# Altium PCB PCB1.PcbDoc (part 2 of 2) (continued)
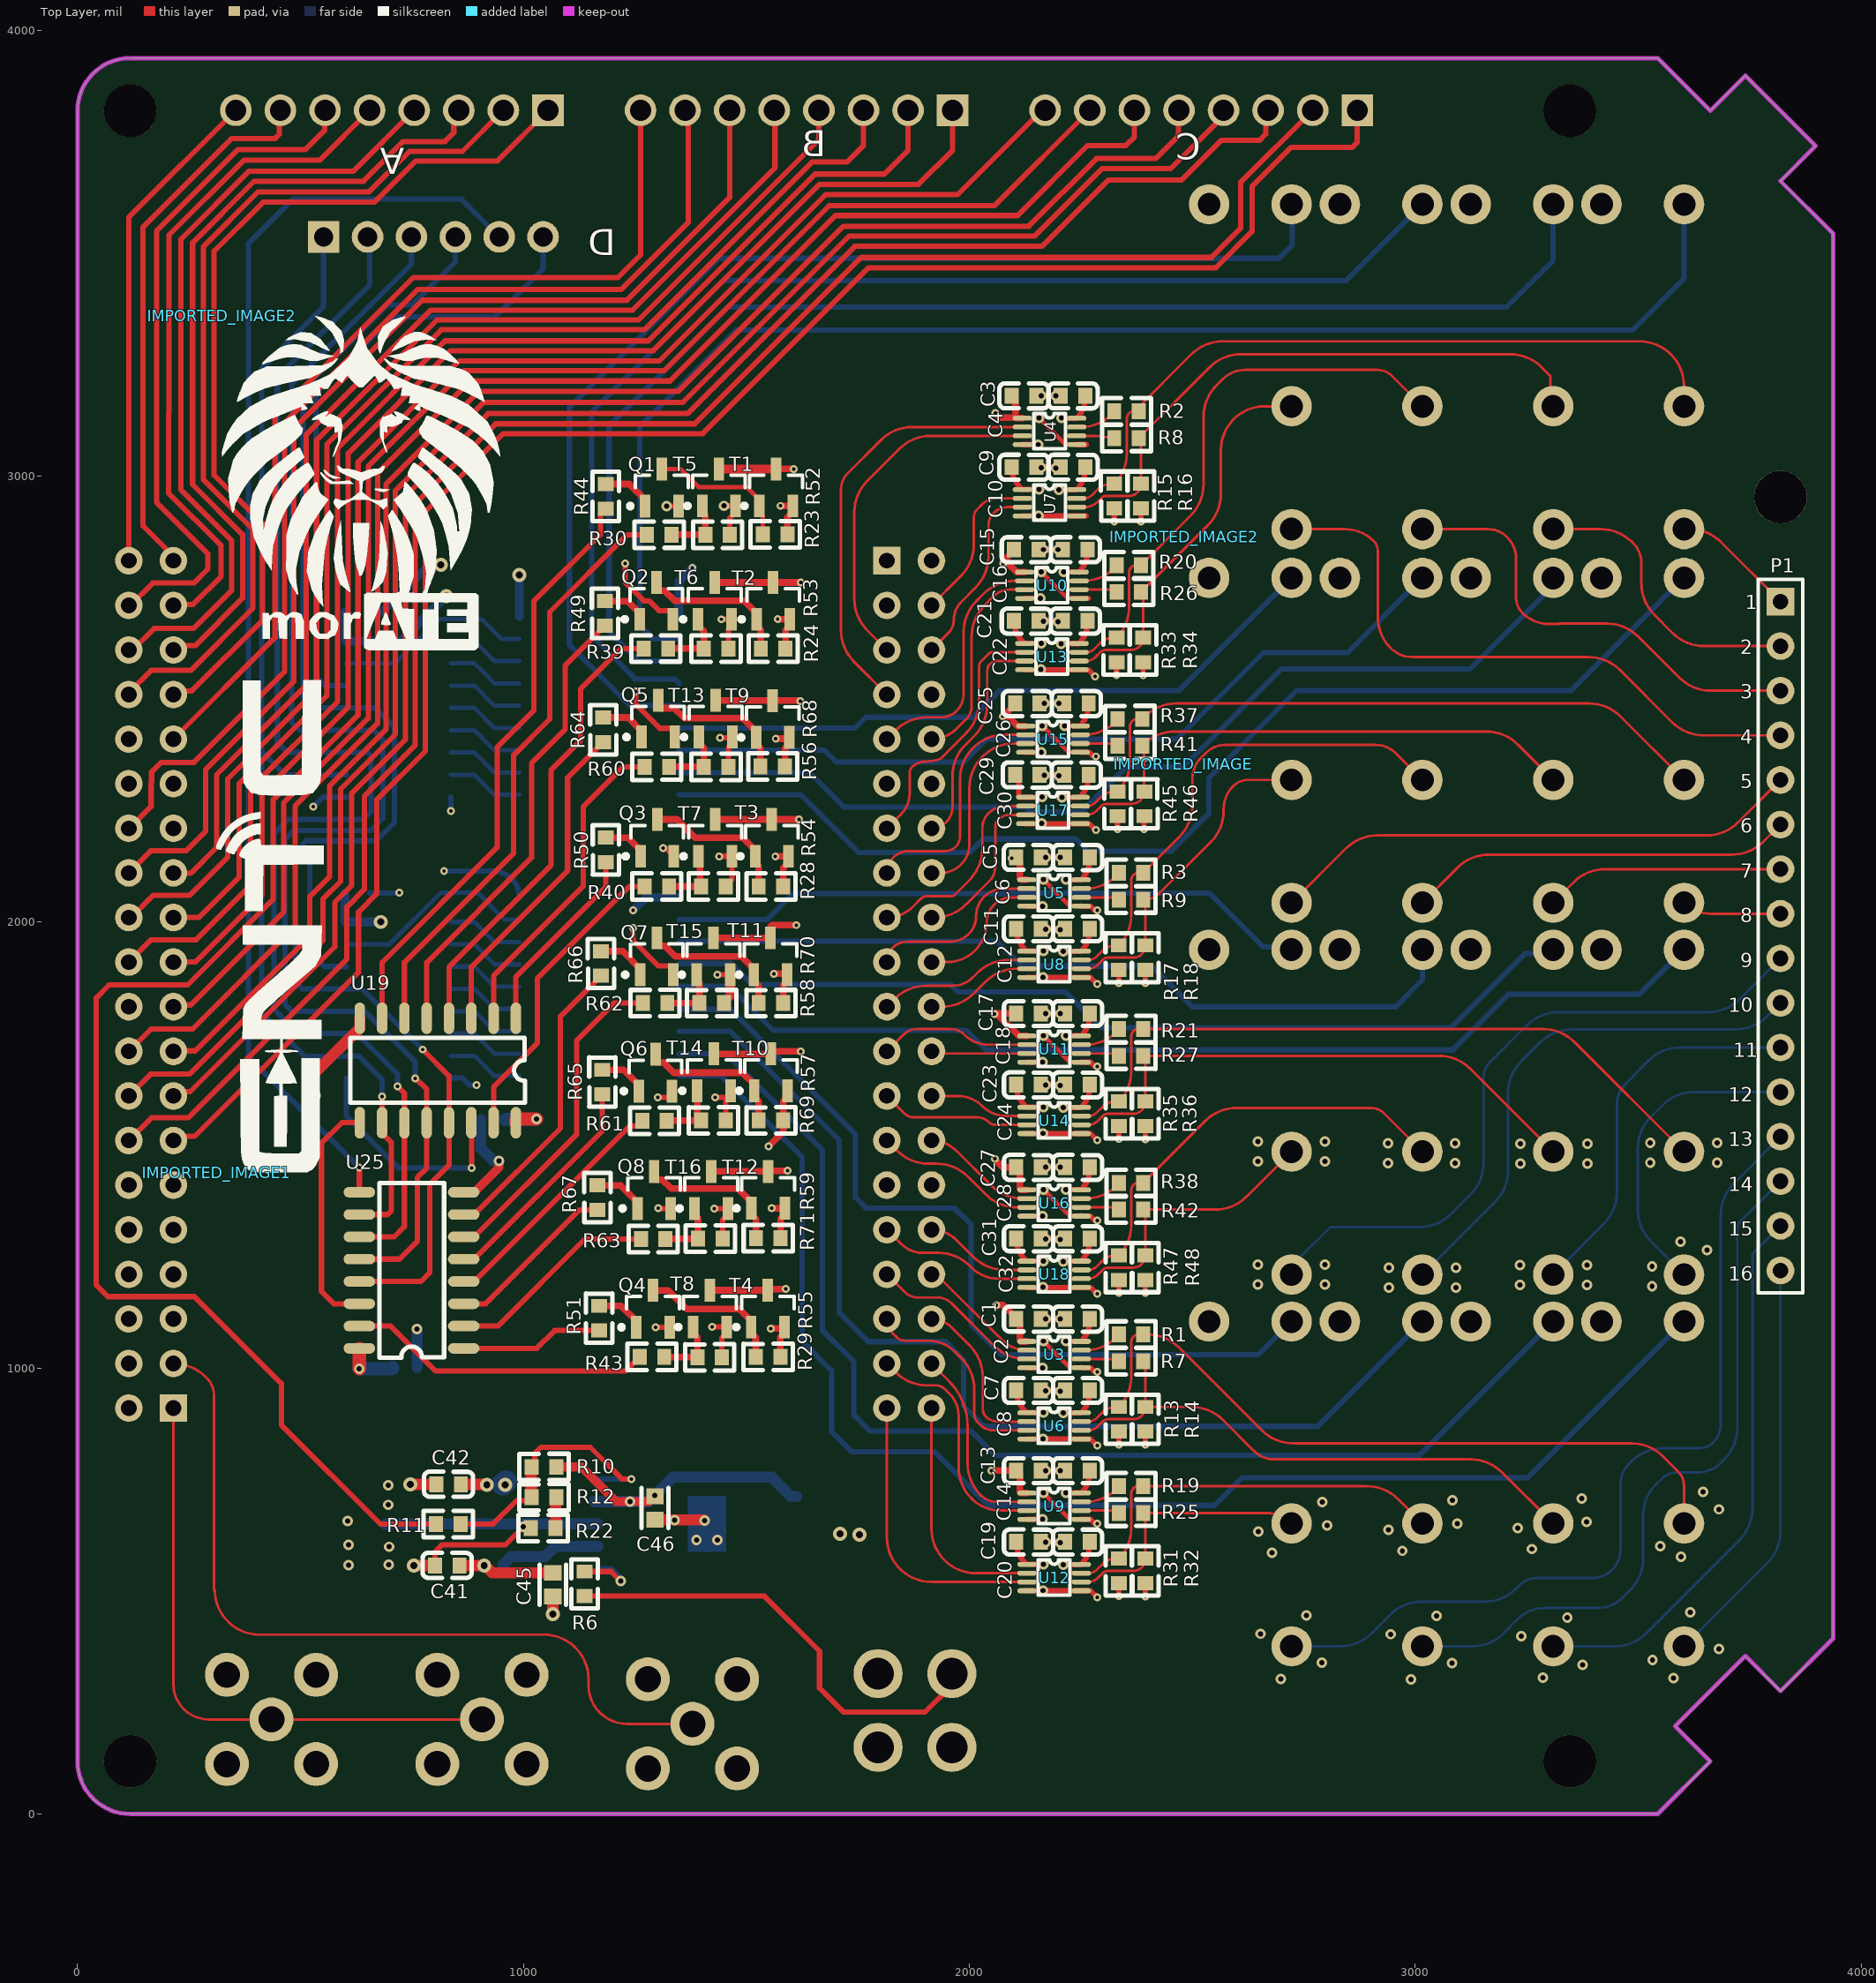
[diagram p0: Top Layer view]
## Nets (pads, with @x,y where several pads share a name; then routed paths per layer and width w, separated by ;. In a path a pad name is that pad's centre, name@x,y a point inside that pad or via, vN(x,y) a via of type N, cw(c..) or ccw(c..) an arc to the next point about the centre after c; other vN are vias at no path point) (continued)
IO-5-6-off: R40.1 U19.15 | length 689.6
  Top Layer w12: U19.15@933,1550 933,1630 1031,1728 1031,1873 1237.66,2079.66 R40.1@1271.44,2079.66
IO-5-6-on: R50.2 U19.1 | length 433.8
  Top Layer w12: U19.1@983,1784 983,1877 1185,2079 R50.2@1185,2134.1
IO-5-6-out: C5.2 T3.2 T7.2 U5.1 | length 780.2
  Top Layer w15: T7.2@1430,2230 T3.2@1557,2230 v2(1618,2230) ; v2(2095,2143) 2102.89,2143 C5.2@2104.89,2145 2113.14,2136.75 2113.14,2096.52 2115.12,2094.53 U5.1@2128.87,2094.53
  Mid Layer 2 w15: v2(1618,2230) 1683,2165 2072.65,2165 2094.65,2143 v2(2095,2143)
IO-7-8-off: R60.1 U19.2 | length 732
  Top Layer w12: U19.2@933,1784 933,1879 1134,2080 1134,2258 1224,2348 R60.1@1271.44,2348
IO-7-8-on: R64.2 U19.3 | length 743.2
  Top Layer w12: U19.3@883,1784 883,1899 1099,2115 1099,2323.44 1167.28,2391.72 1167.28,2393.69 1177.03,2403.44 R64.2@1179,2403.44
IO-7-8-out: C25.2 T9.2 T13.2 U15.1 | length 760
  Top Layer w15: T13.2@1431,2497.34 1432,2496.34 T9.2@1559,2496.34 1619.66,2496.34 v2(1621,2495) ; C25.2@2102.44,2490 2102.44,2488.03 2075.41,2461 v2(2075,2461) 2075.52,2460.48 2087.4,2460.48 2108.35,2439.53 U15.1@2126.42,2439.53
  Mid Layer 2 w15: v2(1621,2495) 1735.87,2495 1769.87,2461 v2(2075,2461)
IO-9-10-off: R61.1 U25.4 | length 550.7
  Top Layer w12: U25.4@866,1194 889.58,1194 1237.86,1542.28 1256.7,1542.28 1266.44,1552.03 R61.1@1266.44,1554
IO-9-10-on: R65.2 U25.5 | length 512.1
  Top Layer w12: U25.5@866,1244 889.58,1244 1177,1531.42 R65.2@1177,1613.44
IO-9-10-out: C27.2 T10.2 T14.2 U16.1 | length 857.9
  Top Layer w15: T14.2@1427,1704.34 T10.2@1555,1704.34 1555,1705.69 1559.31,1710 v2(1622,1710) ; v2(2057,1469) 2057,1468 2075,1450 C27.2@2105,1450 2113.25,1441.75 2113.25,1401.52 2115.24,1399.53 U16.1@2128.98,1399.53
  Mid Layer 2 w15: v2(1622,1710) 1770,1562 1964,1562 v2(2057,1469)
IO-11-12-off: R62.1 U25.6 | length 741.8
  Top Layer w12: U25.6@866,1294 889.58,1294 1119,1523.42 1119,1734 1203,1818 R62.1@1267.44,1818
IO-11-12-on: R66.2 U25.7 | length 678
  Top Layer w12: U25.7@866,1344 889.58,1344 1083,1537.42 1083,1788.44 1162.28,1867.72 1162.28,1869.69 1172.03,1879.44 R66.2@1174,1879.44
IO-11-12-out: C17.2 T11.2 T15.2 U11.1 | length 882.2
  Top Layer w15: T15.2@1426,1964.34 T11.2@1554,1964.34 1554,1990 1557,1993 v2(1612,1993) ; C17.2@2105,1795 2057.74,1795 2056.74,1794 v2(2056,1794) 2056.52,1793.48 2061.96,1793.48 2110.91,1744.53 U11.1@2128.98,1744.53
  Mid Layer 2 w15: v2(1612,1993) 1745,1860 1990,1860 v2(2056,1794)
IO-13-14-off: R43.1 U25.15 | length 683.5
  Top Layer w12: U25.15@632,1094 702,1094 803,993 1228.94,993 R43.1@1260.6,1024.66
IO-13-14-on: R51.2 U25.1 | length 320.2
  Top Layer w12: U25.1@866,1044 1030,1044 1070.1,1084.1 R51.2@1169.6,1084.1
IO-13-14-out: C13.2 T4.2 T8.2 U9.1 | length 1049.8
  Top Layer w15: T8.2@1418,1174.34 T4.2@1548,1174.34 1547.5,1174.84 1547.5,1177 v2(1588,1177) ; v2(2049,770) C13.2@2105,770 2113.25,761.75 2113.25,721.52 2115.24,719.53 U9.1@2128.98,719.53
  Mid Layer 2 w15: v2(1588,1177) 1624,1177 1696,1105 1696,896 1822,770 v2(2049,770)
IO-15-16-off: R63.1 U25.2 | length 478.2
  Top Layer w12: U25.2@866,1094 943,1094 1138,1289 R63.1@1263.44,1289
IO-15-16-on: R67.2 U25.3 | length 387.2
  Top Layer w12: U25.3@866,1144 915,1144 1125.44,1354.44 R67.2@1166,1354.44
IO-15-16-out: C1.2 T12.2 T16.2 U3.1 | length 912.9
  Top Layer w15: T16.2@1421,1440.34 1421.34,1440.68 T12.2@1548.6,1440.68 1549.92,1442 v2(1592,1442) ; v2(2060,1141) 2075.97,1141 2105,1111.97 C1.2@2105,1110 2113.25,1101.75 2113.25,1061.52 2115.24,1059.53 U3.1@2128.98,1059.53
  Mid Layer 2 w15: v2(1592,1442) 1775,1259 1978,1259 2060,1177 v2(2060,1141)
NetC46_2: C46.2 JP2.1 R10.2 U1.4 | length 754.2
  Top Layer w20: R10.2@1071.56,778 R10.2@1073.56,778 1130,778 1207.72,700.28 v1(1239.28,700.28) 1282.7,700.28 C46.2@1295,712.57
  Bottom Layer w25: U1.4@1159,700.28 U1.4@1166.86,700.28 v1(1239.28,700.28) 1280.28,700.28 1335,755 1556.5,755 1599.5,712 JP2.1@1612,712
  other v1: 1294.28,714.28
NetQ1_1: Q1.1 R44.1 | length 117.1
  Top Layer w15: R44.1@1184.4,2981.89 1237.55,2981.89 1273,2946.44 Q1.1@1273,2932.66
NetQ1_2: Q1.2 R23.2 T1.1 | length 327.7
  Top Layer w10: Q1.2@1310.4,3015.34 1352.66,3015.34 1393,2975 1500.78,2975 1529,2946.78 T1.1@1529,2933 1529,2919.22 1536.84,2911.38 R23.2@1536.84,2869.34
NetQ2_1: Q2.1 R49.1 | length 102.6
  Top Layer w15: R49.1@1183,2719.56 1233.48,2719.56 1260.6,2692.44 Q2.1@1260.6,2678.66
NetQ2_2: Q2.2 R24.2 T2.1 | length 344.7
  Top Layer w15: Q2.2@1298,2761.34 1298,2747.56 1302.31,2743.25 1316.09,2743.25 1339.34,2720 1495.04,2720 1522.6,2692.44 T2.1@1522.6,2678.66 1522.6,2664.88 1532.44,2655.04 R24.2@1532.44,2613
NetQ3_1: Q3.1 R50.1 | length 103
  Top Layer w15: R50.1@1185,2189.22 1234.48,2189.22 1262.6,2161.1 Q3.1@1262.6,2147.32
NetQ3_2: Q3.2 R28.2 T3.1 | length 332.8
  Top Layer w15: Q3.2@1300,2230 1344,2230 1385,2189 1491.7,2189 1519.6,2161.1 T3.1@1519.6,2147.32 1519.6,2133.54 1527.44,2125.7 R28.2@1527.44,2079.66
NetQ4_1: Q4.1 R51.1 | length 111.5
  Top Layer w15: R51.1@1169.6,1139.22 1219.08,1139.22 1253.2,1105.1 Q4.1@1253.2,1091.32
NetQ4_2: Q4.2 R29.2 T4.1 | length 333.5
  Top Layer w15: Q4.2@1290.6,1174 1325,1174 1366.62,1132.38 1483.66,1132.38 1510.6,1105.44 T4.1@1510.6,1091.66 1510.6,1077.88 1521.04,1067.44 R29.2@1521.04,1024.66
NetQ5_1: Q5.1 R64.1 | length 111.9
  Top Layer w15: R64.1@1179,2458.56 1234.48,2458.56 1264.6,2428.44 Q5.1@1264.6,2414.66
NetQ5_2: Q5.2 R56.2 T9.1 | length 339.1
  Top Layer w15: Q5.2@1302,2497.34 1302,2483.56 1306.31,2479.25 1338.75,2479.25 1361,2457 1492.04,2457 1521.6,2427.44 T9.1@1521.6,2413.66 1521.6,2399.88 1531.44,2390.04 R56.2@1531.44,2349
NetQ6_1: Q6.1 R65.1 | length 109.5
  Top Layer w15: R65.1@1177,1668.56 1224.48,1668.56 1258.6,1634.44 Q6.1@1258.6,1620.66
NetQ6_2: Q6.2 R57.2 T10.1 | length 342.3
  Top Layer w15: Q6.2@1296,1703.34 1296,1689.56 1300.31,1685.25 1314.09,1685.25 1337.34,1662 1491.04,1662 1517.6,1635.44 T10.1@1517.6,1621.66 1517.6,1607.88 1527.44,1598.04 R57.2@1527.44,1555
NetQ7_1: Q7.1 R66.1 | length 117.6
  Top Layer w15: R66.1@1174,1934.56 1222.48,1934.56 1261.6,1895.44 Q7.1@1261.6,1881.66
NetQ7_2: Q7.2 R58.2 T11.1 | length 336.1
  Top Layer w15: Q7.2@1299,1964.34 1299,1950.56 1303.31,1946.25 1317.09,1946.25 1340.34,1923 1489.04,1923 1516.6,1895.44 T11.1@1516.6,1881.66 1516.6,1867.88 1527.44,1857.04 R58.2@1527.44,1818
NetQ8_1: Q8.1 R67.1 | length 119.2
  Top Layer w15: R67.1@1166,1409.56 1217.48,1409.56 1255.6,1371.44 Q8.1@1255.6,1357.66
NetQ8_2: Q8.2 R59.2 T12.1 | length 339.7
  Top Layer w15: Q8.2@1293,1440.34 1293,1426.56 1297.31,1422.25 1311.09,1422.25 1331.34,1402 1480.98,1402 1511.2,1371.78 T12.1@1511.2,1358 1511.2,1344.22 1521.44,1333.98 R59.2@1521.44,1291
NetR1_1: R1.1 U3.7 | length 93.4
  Top Layer w5.78: U3.7@2250.91,1039.84 2260.28,1039.84 ccw(c2260.28,1139.84) 2330.99,1069.13 R1.1@2334.89,1073.03
NetR1_2: R1.2 R13.2 RLY13.2 U6.7 | length 1718.2
  Top Layer w5.78: U6.7@2250.91,879.84 2266.48,879.84 ccw(c2266.48,907.28) 2285.87,887.87 ; 2285.88,887.88 2298,900 cw(c2328.32,869.68) 2328.32,912.56 2334.89,912.56 ccw(c2267.01,980.43) 2363,980.43 2363,1058 cw(c2380.76,1058) R1.2@2380.76,1075.76 ; R1.2@2380.76,1075 R1.2@2390,1075 ; R1.2@2390.12,1075 2399.58,1075 cw(c2399.58,975) 2470.29,1045.71 2655.71,860.29 ccw(c2726.42,931) 2726.42,831 3484.58,831 cw(c3484.58,731) 3555.29,801.71 3590,767 cw(c3559.82,736.82) 3602.5,736.82 RLY13.2@3602.5,651.35
NetR2_1: R2.1 U4.7 | length 93.4
  Top Layer w5.78: U4.7@2240.91,3109.84 2250.28,3109.84 ccw(c2250.28,3209.84) 2320.99,3139.13 R2.1@2324.89,3143.03
NetR2_2: R2.2 R15.2 RLY1.2 U7.7 | length 1679.5
  Top Layer w5.78: U7.7@2240.91,2949.84 2256.48,2949.84 ccw(c2256.48,2977.28) 2275.87,2957.87 ; 2275.88,2957.88 2288,2970 cw(c2318.32,2939.68) 2318.32,2982.56 R15.2@2324.89,2982.56 ccw(c2257.01,3050.43) 2353,3050.43 2353,3128 cw(c2370.76,3128) 2370.76,3145.76 2497.71,3272.71 cw(c2568.42,3202) 2568.42,3302 3502.5,3302 cw(c3502.5,3202) 3602.5,3202 RLY1.2@3602.5,3156.35 ; R2.2@2370.76,3145 R2.2@2380,3145
NetR3_1: R3.1 U5.7 | length 93.4
  Top Layer w5.78: U5.7@2250.91,2074.84 2260.28,2074.84 ccw(c2260.28,2174.84) 2330.99,2104.13 R3.1@2334.89,2108.03
NetR3_2: R3.2 R17.2 RLY7.2 U8.7 | length 1124.9
  Top Layer w5.78: U8.7@2250.91,1914.84 2266.48,1914.84 ccw(c2266.48,1942.28) 2285.87,1922.87 ; 2285.88,1922.88 2298,1935 cw(c2328.32,1904.68) 2328.32,1947.56 R17.2@2334.89,1947.56 ccw(c2267.01,2015.43) 2363,2015.43 2363,2093 cw(c2380.76,2093) R3.2@2380.76,2110.76 ; R3.2@2380.76,2110 R3.2@2390,2110 2470.71,2190.71 ccw(c2400,2261.42) 2500,2261.42 2500,2321 cw(c2567.6,2321) 2519.78,2368.78 2530,2379 cw(c2573.46,2335.54) 2573.46,2397 2912,2397 cw(c2912,2335.64) 2955.42,2379 RLY7.2@3015.83,2318.58
NetR7_1: R7.1 U3.6 | length 85.4
  Top Layer w5.78: U3.6@2250.91,1020.16 2322.43,1020.16 cw(c2322.43,1002.54) R7.1@2334.87,1015.02
NetR7_2: R7.2 R14.2 RLY14.2 U6.6 | length 1282.7
  Top Layer w5.78: U6.6@2250.91,860.16 2265.95,860.16 ccw(c2265.95,892.05) 2288.5,869.5 2299,880 cw(c2311.07,867.93) 2311.07,885 2367.33,885 ccw(c2367.33,912.56) 2394.89,912.56 2394.89,1003.21 ccw(c2378.21,1003.21) R7.2@2390,1015 ; R14.2@2395,912.56 2498.02,912.56 cw(c2498.02,812.56) 2568.73,883.27 2638.64,813.36 ccw(c2683,857.77) 2683,795 3124.1,795 cw(c3124.1,695) 3194.81,765.71 RLY14.2@3309.17,651.35
NetR8_1: R8.1 U4.6 | length 154.1
  Top Layer w5.78: R8.1@2312.43,3090.16 cw(c2312.43,3072.54) R8.1@2324.89,3085 ; R8.1@2324.89,3085 2284.43,3090.16 U4.6@2240.91,3090.16 ; U4.6@2240.91,3090.16 2212.91,3090.16 U4.6@2240.91,3090.16
NetR8_2: R8.2 R16.2 RLY2.2 U7.6 | length 1353.4
  Top Layer w5.78: U7.6@2240.91,2930.16 2258,2930.16 ccw(c2258,2974) 2288.99,2942.99 ; 2289,2943 2299,2953 cw(c2303.83,2948.17) 2303.83,2955 2357.33,2955 ccw(c2357.33,2982.56) R16.2@2384.89,2982.56 2384.89,3073.21 ccw(c2368.21,3073.21) R8.2@2380,3085 2538.71,3243.71 cw(c2609.42,3173) 2609.42,3273 3212.58,3273 cw(c3212.58,3173) 3283.29,3243.71 3303,3224 3303,3171.24 ccw(c3324.05,3171.24) RLY2.2@3309.17,3156.35
NetR9_1: R9.1 U5.6 | length 85.4
  Top Layer w5.78: U5.6@2250.91,2055.16 2322.43,2055.16 cw(c2322.43,2037.54) R9.1@2334.89,2050
NetR9_2: R9.2 R18.2 RLY8.2 U8.6 | length 747.7
  Top Layer w5.78: U8.6@2250.91,1895.16 2265.95,1895.16 ccw(c2265.95,1927.05) 2288.5,1904.5 2299,1915 cw(c2311.07,1902.93) 2311.07,1920 2367.33,1920 ccw(c2367.33,1947.56) R18.2@2394.89,1947.56 2394.89,2038.21 ccw(c2378.21,2038.21) R9.2@2390,2050 ccw(c2390,2103.11) 2427.53,2065.53 2541.72,2179.72 ccw(c2473.43,2248) 2570,2248 2570,2251.89 cw(c2645.11,2251.89) 2592,2305 cw(c2624.79,2272.21) 2624.79,2318.58 RLY8.2@2722.5,2318.58
NetR10_1: R10.1 R11.1 R12.2 U1.5 | length 614.2
  Top Layer w12: R11.1@859.12,650 932,650 984.69,702.69 1011.13,702.69 R12.2@1018.44,710 ; R10.1@1016.44,778 1025,786.56 1025,808 1039,822 1150,822 1221,751 v2(1242,751)
  Top Layer w25: R10.1@1016.44,778 1017.44,777 1017.44,711 R12.2@1018.44,710
  Bottom Layer w12: U1.5@1166.86,750.28 1167.22,750.64 1241.64,750.64 v2(1242,751)
NetR12_1: R12.1 R22.2 | length 69.8
  Top Layer w25: R22.2@1071.56,641 1072.56,642 1072.56,709 R12.1@1073.56,710
NetR19_1: R19.1 U9.7 | length 93.4
  Top Layer w5.78: U9.7@2250.91,699.84 2260.28,699.84 ccw(c2260.28,799.84) 2330.99,729.13 R19.1@2334.89,733.03
NetR19_2: R19.2 R31.2 RLY15.2 U12.7 | length 940.7
  Top Layer w5.78: U12.7@2250.91,539.84 2266.48,539.84 ccw(c2266.48,567.28) 2285.87,547.87 ; 2285.88,547.88 2298,560 cw(c2328.32,529.68) 2328.32,572.56 2334.89,572.56 ccw(c2267.01,640.43) 2363,640.43 2363,718 cw(c2380.76,718) R19.2@2380.76,735.76 ; R19.2@2380.76,735 R19.2@2390,735 ; R19.2@2390.12,735 2890.76,735 cw(c2890.76,635) 2961.47,705.71 RLY15.2@3015.83,651.35
NetR20_1: R20.1 U10.7 | length 93.4
  Top Layer w5.78: U10.7@2245.91,2764.84 2255.28,2764.84 ccw(c2255.28,2864.84) 2325.99,2794.13 R20.1@2329.89,2798.03
NetR20_2: R20.2 R33.2 RLY3.2 U13.7 | length 1254
  Top Layer w5.78: U13.7@2245.91,2604.84 2261.48,2604.84 ccw(c2261.48,2632.28) 2280.87,2612.87 ; 2280.88,2612.88 2293,2625 cw(c2323.32,2594.68) 2323.32,2637.56 2329.89,2637.56 ccw(c2262.01,2705.43) 2358,2705.43 2358,2783 cw(c2375.76,2783) R20.2@2375.76,2800.76 ; R20.2@2375.76,2800 R20.2@2385,2800 ; R20.2@2385.12,2800 2495.71,2910.59 ccw(c2425,2981.31) 2525,2981.31 2525,3132.58 cw(c2625,3132.58) 2554.29,3203.29 2568,3217 cw(c2618.7,3166.3) 2618.7,3238 2915,3238 cw(c2915,3191.69) 2947.76,3224.42 RLY3.2@3015.83,3156.35
NetR21_1: R21.1 U11.7 | length 93.4
  Top Layer w5.78: U11.7@2250.91,1724.84 2260.28,1724.84 ccw(c2260.28,1824.84) 2330.99,1754.13 R21.1@2334.89,1758.03
NetR21_2: R21.2 R35.2 RLY9.2 U14.7 | length 1606.6
  Top Layer w5.78: U14.7@2250.91,1564.84 2266.48,1564.84 ccw(c2266.48,1592.28) 2285.87,1572.87 ; 2285.88,1572.88 2298,1585 cw(c2328.32,1554.68) 2328.32,1597.56 2334.89,1597.56 ccw(c2267.01,1665.43) 2363,1665.43 2363,1743 cw(c2380.76,1743) R21.2@2380.76,1760.76 ; R21.2@2380.76,1760 R21.2@2390,1760 ; R21.2@2390.12,1760 3286.05,1760 cw(c3286.05,1660) 3356.76,1730.71 RLY9.2@3602.5,1484.97
NetR25_1: R25.1 U9.6 | length 85.4
  Top Layer w5.78: U9.6@2250.91,680.16 2322.43,680.16 cw(c2322.43,662.54) R25.1@2334.87,675.02
NetR25_2: R25.2 R32.2 RLY16.2 U12.6 | length 610.5
  Top Layer w5.78: U12.6@2250.91,520.16 2265.95,520.16 ccw(c2265.95,552.05) 2288.5,529.5 2299,540 cw(c2311.07,527.93) 2311.07,545 2367.33,545 ccw(c2367.33,572.56) 2394.89,572.56 2394.89,663.21 ccw(c2378.21,663.21) 2390,675 R25.2@2390.12,675 2665.4,675 cw(c2665.4,594.25) RLY16.2@2722.5,651.35
NetR26_1: R26.1 U10.6 | length 85.4
  Top Layer w5.78: U10.6@2245.91,2745.16 2317.43,2745.16 cw(c2317.43,2727.54) R26.1@2329.87,2740.02
NetR26_2: R26.2 R34.2 RLY4.2 U13.6 | length 874.1
  Top Layer w5.78: U13.6@2245.91,2585.16 2260.95,2585.16 ccw(c2260.95,2617.05) 2283.5,2594.5 2294,2605 cw(c2306.07,2592.93) 2306.07,2610 2362.33,2610 ccw(c2362.33,2637.56) 2389.89,2637.56 2389.89,2728.21 ccw(c2373.21,2728.21) R26.2@2385,2740 ; R26.2@2385.12,2740 2534.71,2889.59 ccw(c2464,2960.31) 2564,2960.31 2564,3058 cw(c2662.35,3058) 2662.35,3156.35 RLY4.2@2722.5,3156.35
NetR27_1: R27.1 U11.6 | length 85.4
  Top Layer w5.78: U11.6@2250.91,1705.16 2322.43,1705.16 cw(c2322.43,1687.54) R27.1@2334.87,1700.02
NetR27_2: R27.2 R36.2 RLY10.2 U14.6 | length 1275.6
  Top Layer w5.78: U14.6@2250.91,1545.16 2265.95,1545.16 ccw(c2265.95,1577.05) 2288.5,1554.5 2299,1565 cw(c2311.07,1552.93) 2311.07,1570 2367.33,1570 ccw(c2367.33,1597.56) 2394.89,1597.56 2394.89,1688.21 ccw(c2378.21,1688.21) 2390,1700 R27.2@2390.12,1700 3052.71,1700 cw(c3052.71,1600) 3123.42,1670.71 RLY10.2@3309.17,1484.97
NetR30_2: R30.2 R52.2 T5.1 | length 143.4
  Top Layer w15: R30.2@1331.96,2868.34 R52.2@1407.84,2868.34 1407.84,2912.38 1401,2919.22 T5.1@1401,2933
NetR37_1: R37.1 U15.7 | length 93.4
  Top Layer w5.78: U15.7@2247.91,2419.84 2257.28,2419.84 ccw(c2257.28,2519.84) 2327.99,2449.13 R37.1@2331.89,2453.03
NetR37_2: R37.2 R45.2 RLY5.2 U17.7 | length 1576.4
  Top Layer w5.78: U17.7@2247.91,2259.84 2263.48,2259.84 ccw(c2263.48,2287.28) 2282.87,2267.87 ; 2282.88,2267.88 2295,2280 cw(c2325.32,2249.68) 2325.32,2292.56 2331.89,2292.56 ccw(c2264.01,2360.43) 2360,2360.43 2360,2438 cw(c2377.76,2438) R37.2@2377.76,2455.76 ; R37.2@2377.76,2455 R37.2@2387,2455 ; R37.2@2387.56,2455 2393.27,2460.71 cw(c2463.98,2390) 2463.98,2490 3389.66,2490 cw(c3389.66,2390) 3460.37,2460.71 RLY5.2@3602.5,2318.58
NetR38_1: R38.1 U16.7 | length 93.4
  Top Layer w5.78: U16.7@2250.91,1379.84 2260.28,1379.84 ccw(c2260.28,1479.84) 2330.99,1409.13 R38.1@2334.89,1413.03
NetR38_2: R38.2 R47.2 RLY11.2 U18.7 | length 1014.5
  Top Layer w5.78: U18.7@2250.91,1219.84 2266.48,1219.84 ccw(c2266.48,1247.28) 2285.87,1227.87 ; 2285.88,1227.88 2298,1240 cw(c2328.32,1209.68) 2328.32,1252.56 2334.89,1252.56 ccw(c2267.01,1320.43) 2363,1320.43 2363,1398 cw(c2380.76,1398) R38.2@2380.76,1415.76 ; R38.2@2380.76,1415 R38.2@2390,1415 ; R38.2@2390.12,1415 2528.83,1553.71 cw(c2599.54,1483) 2599.54,1583 2901,1583 cw(c2901,1542.44) 2929.68,1571.12 RLY11.2@3015.83,1484.97
NetR39_2: R39.2 R53.2 T6.1 | length 150.9
  Top Layer w15: R39.2@1324.56,2613 R53.2@1404.44,2613 1404.44,2652.04 1391.6,2664.88 T6.1@1391.6,2678.66
NetR40_2: R40.2 R54.2 T7.1 | length 142
  Top Layer w15: R40.2@1326.56,2079.66 R54.2@1398.44,2079.66 1395.52,2082.58 1395.52,2144.4 T7.1@1392.6,2147.32
NetR41_1: R41.1 U15.6 | length 85.4
  Top Layer w5.78: U15.6@2247.91,2400.16 2319.43,2400.16 cw(c2319.43,2382.54) R41.1@2331.87,2395.02
NetR41_2: R41.2 R46.2 RLY6.2 U17.6 | length 1242.8
  Top Layer w5.78: U17.6@2247.91,2240.16 2262.95,2240.16 ccw(c2262.95,2272.05) 2285.5,2249.5 2296,2260 cw(c2308.07,2247.93) 2308.07,2265 2364.33,2265 ccw(c2364.33,2292.56) 2391.89,2292.56 2391.89,2383.21 ccw(c2375.21,2383.21) R41.2@2387,2395 ; R41.2@2387.56,2395 2390.27,2397.71 cw(c2460.98,2327) 2460.98,2427 3159.33,2427 cw(c3159.33,2327) 3230.04,2397.71 RLY6.2@3309.17,2318.58
NetR42_1: R42.1 U16.6 | length 85.4
  Top Layer w5.78: U16.6@2250.91,1360.16 2322.43,1360.16 cw(c2322.43,1342.54) R42.1@2334.87,1355.02
NetR42_2: R42.2 R48.2 RLY12.2 U18.6 | length 653.6
  Top Layer w5.78: U18.6@2250.91,1200.16 2265.95,1200.16 ccw(c2265.95,1232.05) 2288.5,1209.5 2299,1220 cw(c2311.07,1207.93) 2311.07,1225 2367.33,1225 ccw(c2367.33,1252.56) 2394.89,1252.56 2394.89,1343.21 ccw(c2378.21,1343.21) R42.2@2390,1355 ; R42.2@2390.12,1355 2551.11,1355 ccw(c2551.11,1455) 2621.82,1384.29 RLY12.2@2722.5,1484.97
NetR43_2: R43.2 R55.2 T8.1 | length 146.6
  Top Layer w15: R43.2@1315.71,1024.66 1316.21,1024.16 1389.54,1024.16 R55.2@1390.04,1023.66 1390.04,1068.44 1380.6,1077.88 T8.1@1380.6,1091.66
NetR60_2: R60.2 R68.2 T13.1 | length 149
  Top Layer w15: R60.2@1326.56,2348 R68.2@1404.44,2348 1404.44,2390.04 1393.6,2400.88 T13.1@1393.6,2414.66
NetR61_2: R61.2 R69.2 T14.1 | length 147.6
  Top Layer w15: R61.2@1321.56,1554 1322.06,1554.5 1397.94,1554.5 R69.2@1398.44,1555 1390.19,1563.25 1390.19,1573.41 1389.6,1574 T14.1@1389.6,1621.66
NetR62_2: R62.2 R70.2 T15.1 | length 138
  Top Layer w15: R62.2@1322.56,1818 R70.2@1394.44,1818 1394.44,1862.04 1388.6,1867.88 T15.1@1388.6,1881.66
NetR63_2: R63.2 R71.2 T16.1 | length 144.2
  Top Layer w15: R63.2@1318.56,1289 1319.06,1289.5 1390.94,1289.5 R71.2@1391.44,1290 1391.44,1336.04 1383.6,1343.88 T16.1@1383.6,1357.66
NetU19_9: U19.9 U25.14 | length 533.7
  Top Layer w12: U25.14@632,1144 575,1144 547,1172 547,1504 593,1550 U19.9@633,1550
NetU22_9: U22.9 U24.14 | length 507.5
  Mid Layer 2 w12: v2(521,2146) 521,2197 529,2205 v2(529,2259)
  Bottom Layer w12: v2(521,2146) 521,1933.23 554.23,1900 U24.14@603,1900 ; v2(529,2259) 550,2280 U22.9@603,2280
OE: CN4.4 U19.13 U22.13 U24.13 U25.13 | length 3251.5
  Top Layer w12: U25.13@632,1194 770,1194 790,1214 790,1412 833,1455 U19.13@833,1550 833,1655 v2(774,1714)
  Bottom Layer w12: v2(774,1714) 638,1850 U24.13@603,1850 504,1850 489,1865 489,2158 513,2182 670,2182 711,2223 711,2436 667,2480 U22.13@603,2480 528,2480 506,2502 506,3195 695,3384 751,3384 847.25,3480.26 CN4.4@847.25,3536.03
PLL3_CLKOUTp: U2.02
PLL4_CLKOUTn: U2.127
PLL4_CLKOUTp: U2.132
REL1: RLY1.1 U21.11 | length 3191.9
  Bottom Layer w12: U21.11@1349,2635 1291,2635 1261,2665 1261,3111 1477,3327 3487,3327 3602.5,3442.5 RLY1.1@3602.5,3609.15
REL2: RLY2.1 U21.12 | length 3042.2
  Bottom Layer w12: U21.12@1349,2585 1258,2585 1192,2651 1192,3112 1459,3379 3205,3379 3309.17,3483.17 RLY2.1@3309.17,3609.15
REL3: RLY3.1 U21.13 | length 2797.8
  Bottom Layer w12: U21.13@1349,2535 1339,2545 1250,2545 1153,2642 1153,3144 1447,3438 2844.68,3438 RLY3.1@3015.83,3609.15
REL4: RLY4.1 U21.14 | length 2698.9
  Bottom Layer w12: U21.14@1349,2485 1239,2485 1103,2621 1103,3154 1437,3488 2694,3488 2724.03,3518.03 2724.03,3607.62 RLY4.1@2722.5,3609.15
REL5: RLY8.1 U21.15 | length 1512.8
  Bottom Layer w12: U21.15@1349,2435 1744,2435 1768,2459 2008,2459 2067.53,2518.53 2469.65,2518.53 RLY8.1@2722.5,2771.38
REL6: RLY7.1 U21.16 | length 1848.4
  Bottom Layer w12: U21.16@1349,2385 1675.25,2385 1701.25,2359 1988,2359 2039,2410 2465,2410 2659,2604 2848.45,2604 RLY7.1@3015.83,2771.38
REL7: RLY6.1 U21.17 | length 2223.9
  Bottom Layer w12: U21.17@1349,2335 1641,2335 1718,2258 2124,2258 2135,2247 2252,2247 2353,2348 2480,2348 2699,2567 3122,2567 3309.17,2754.17 RLY6.1@3309.17,2771.38
REL8: RLY5.1 U21.18 | length 2630.5
  Bottom Layer w12: U21.18@1349,2285 1622,2285 1751,2156 2001,2156 2031,2186 2239,2186 2266,2159 2453,2159 2537,2243 2537,2322 2734,2519 3350.12,2519 RLY5.1@3602.5,2771.38
REL9: RLY12.1 U23.11 | length 1451.1
  Bottom Layer w12: U23.11@1349,2005 1546,2005 1605,2064 2087,2064 2088,2065 2538,2065 2659.22,1943.78 2716.49,1943.78 RLY12.1@2722.5,1937.77
REL10: RLY11.1 U23.12 | length 1826.6
  Bottom Layer w12: U23.12@1349,1955 1351,1957 2061,1957 2117,1901 2409,1901 2500,1810 2956,1810 3015.83,1869.83 RLY11.1@3015.83,1937.77 RLY11.1@3012.07,1934
REL11: RLY10.1 U23.13 | length 2093
  Bottom Layer w12: U23.13@1349,1905 1351,1907 1466,1907 1513,1860 1958,1860 1975,1843 2216,1843 2296,1763 3080,1763 3245.89,1928.89 3300.29,1928.89 RLY10.1@3309.17,1937.77
REL12: RLY9.1 U23.14 | length 2406.2
  Bottom Layer w12: U23.14@1349,1855 1350,1856 1461,1856 1560,1757 1994,1757 2038,1713 3084,1713 3209,1838 3502.73,1838 RLY9.1@3602.5,1937.77
REL13: RLY16.1 U23.15 | length 1939
  Bottom Layer w12: U23.15@1349,1805 1350,1804 1464,1804 1745,1523 1745,1382 1769,1358 1967,1358 2004,1321 2004,1097 2071,1030 2648.35,1030 RLY16.1@2722.5,1104.15
REL14: RLY15.1 U23.16 | length 2418.8
  Bottom Layer w12: U23.16@1349,1755 1464,1755 1708,1511 1708,1124 1773,1059 1947,1059 1987,1019 1987,915 2033,869 2780.68,869 RLY15.1@3015.83,1104.15
REL15: RLY14.1 U23.17 | length 2764.1
  Bottom Layer w12: U23.17@1349,1705 1454,1705 1670,1489 1670,1085 1741,1014 1741,895 1777,859 2003,859 2058,804 3009.02,804 RLY14.1@3309.17,1104.15
REL16: RLY13.1 U23.18 | length 3145.3
  Bottom Layer w12: U23.18@1349,1655 1443,1655 1625,1473 1625,1060 1691,994 1691,857 1736,812 1922,812 2042,692 2550,692 2612,754 3252.35,754 RLY13.1@3602.5,1104.15
RST: CN4.1 U19.10 U22.10 U24.10 U25.10 | length 2720.4
  Top Layer w12: U25.10@632,1344 695,1344 704,1353 704,1505.26 683,1526.26 U19.10@683,1550 v2(683,1609)
  Bottom Layer w12: CN4.1@551.89,3535.97 551.89,3379.9 413,3241 413,2382 ; U22.10@603,2330 465,2330 413,2382 ; v2(683,1609) 683,1646.73 629.73,1700 U24.10@603,1700 602,1699 509,1699 413,1795 413,2382
SHCP: CN4.2 U19.11 U22.11 U24.11 U25.11 | length 2996.9
  Top Layer w12: U25.11@632,1294 710,1294 733,1317 U19.11@733,1550 733,1616 v2(718,1631)
  Bottom Layer w12: CN4.2@650.4,3536.03 655.5,3530.93 655.5,3428.5 448,3221 448,2403 471,2380 U22.11@603,2380 650.97,2380 658,2372.97 658,2247 641,2230 472,2230 441,2199 441,1804 495,1750 U24.11@603,1750 626.58,1750 718,1658.58 v2(718,1631)
STCP: CN4.3 U19.12 U22.12 U24.12 U25.12 | length 3121
  Top Layer w12: U25.12@632,1244 722,1244 762,1284 762,1427 783,1448 U19.12@783,1550 783,1625 v2@758,1650
  Bottom Layer w12: CN4.3@748.83,3536.03 748.83,3474.82 480,3206 480,2448 498,2430 U22.12@603,2430 663.97,2430 685,2408.97 685,2232 658,2205 485,2205 465,2185 465,1816 481,1800 U24.12@603,1800 644,1800 757,1687 v2(757,1649)
to_switch: U19.14 U24.9 | length 516.9
  Top Layer w12: U19.14@883,1550 883.5,1549.5 883.5,1448.5 v2(884,1448)
  Bottom Layer w12: U24.9@603,1650 603,1565 720,1448 v2(884,1448)
VSET: CN1.8 R11.2 | length 5097.7
  Top Layer w12: R11.2@804,650 679,650 457,872 457,965 262,1160 68,1160 42,1186 42,1830 71,1859 247,1859 439,2051 439,2274 629,2464 629,3031.3 855.7,3258 1304.7,3258 1677.7,3631 1973.3,3631 2162.3,3820 CN1.8@2170,3820
pads on no net: U2.12 U2.14 U2.15 U2.16 U2.17 U2.18 U2.19 U2.029 U2.110 U2.129

## Polygon pours and split planes (outlines as drawn)
no net on Top Layer "Top Layer-No Net" (solid, pour order 4): 1700,575
+3.3V on Mid Layer 2 "Mid Layer 2-+3.3V" (solid, pour order 22): 2057,3220 cw(c2058,3220) 2058,3221 2181,3221 2210,3192 2210,529 2208,527 2059,527
GND on Mid Layer 2 "GND_L03_P020" (solid, pour order 20): -29,-88 1525,-88 1525,393.7 1094,475 888,475 824,539 353,539 353,2282 156,2479 -29,2479
GND on Mid Layer 2 "GND_L03_P016" (solid, pour order 16): 2611,1881 3895,1881 3895,535 3493,133 2611,133
DUT_VH on Bottom Layer "DUT_VH_L04_P018" (solid, pour order 18): 1588,690 1803,690 1805,688 1805,572 1586,572 1585,573 1586,574 1586,688
GND on Mid Layer 1 "GND_L02_P008" (solid, pour order 8): -46,3996 cw(c-31.51,3981.51) -31.51,4002 4041,4002 4041,26.42 cw(c3941,26.42) 4011.71,-44.29 3860.29,-195.71 cw(c3789.58,-125) 3789.58,-225 -58,-225

## Keep-outs
Keep-Out Layer:
  the board outline again, w10

## Silkscreen, mask and mechanical layers (free items; w line width, h text height)
Top Overlay:
  text "A" at 679,3755 h100 r180
  text "B" at 1679,3697 h100
  text "C" at 2519,3690 h100
  text "D" at 1207,3475 h100
  text "1" at 3739.32,2701 h32
  text "2" at 3728.66,2600.67 h32
  text "3" at 3728.66,2500.33 h32
  text "4" at 3728.66,2400 h32
  text "5" at 3728.66,2299.67 h32
  text "6" at 3728.66,2199.33 h32
  text "7" at 3728.66,2099 h32
  text "8" at 3728.66,1998.67 h32
  text "9" at 3728.66,1898.33 h32
  text "10" at 3702,1798 h32
  text "11" at 3712.66,1697.67 h32
  text "12" at 3702,1597.33 h32
  text "13" at 3702,1497 h32
  text "14" at 3702,1396.67 h32
  text "15" at 3702,1296.33 h32
  text "16" at 3702,1196 h32
Bottom Overlay:
  text "C" at 2226,3670 h100 r180
  text "B" at 1426,3668 h100 r180
  text "A" at 380,3666 h100 r180
  text "D" at 923,3333 h100
  text "1" at 3746,2701 h32
  text "2" at 3746,2600.67 h32
  text "3" at 3746,2500.33 h32
  text "4" at 3746,2400 h32
  text "5" at 3746,2299.67 h32
  text "6" at 3746,2199.33 h32
  text "7" at 3746,2099 h32
  text "8" at 3746,1998.67 h32
  text "9" at 3746,1898.33 h32
  text "10" at 3746,1798 h32
  text "11" at 3746,1697.67 h32
  text "12" at 3746,1597.33 h32
  text "13" at 3746,1497 h32
  text "14" at 3746,1396.67 h32
  text "15" at 3746,1296.33 h32
  text "16" at 3746,1196 h32
  text "CLK_OUT" at 1015,393 h32
  text "CLK_IN" at 512,392 h32
  text "DELAYED_CLK_IN" at 1566,390 h32
  text "+3.3V" at 2270,302 h32
  text "+5V" at 1637,298 h32
  text "GND" at 1638,138 h32
  text "+12V" at 2248,132 h32

## Text inside footprints (layer, text, board x,y; h text height)
U1: Mechanical 7 "0.14in/3.55mm" at 1276.78,238.84 h25 r270; Mechanical 7 "0.258in/6.55mm" at 1552.19,562.78 h25 r270; Mechanical 7 "0.02in/0.508mm" at 1051.36,462.78 h25 r270; Mechanical 7 "0.05in/1.27mm" at 951.36,494.03 h25 r270; Mechanical 7 "0.045in/1.143mm" at 1397.19,874.22 h25 r270; Mechanical 7 "0.286in/7.26mm" at 1276.78,949.22 h25 r270; Mechanical 7 "Alt 2 Padstyle: OX90Y60D30P" at 724.36,312.78 h50 r270; Mechanical 7 "Alt 1 Padstyle: OX60Y90D30P" at 774.36,312.78 h50 r270; Mechanical 7 "Default Pin Padstyle: RX24Y85D0T" at 824.36,250.28 h50 r270
U2: Bottom Overlay "GPIO1" at 290,2855 h32; Bottom Overlay "GPIO0" at 1940,2855 h32